# Altium PCB RTM_SFP.PcbDoc (part 2 of 7) (continued)
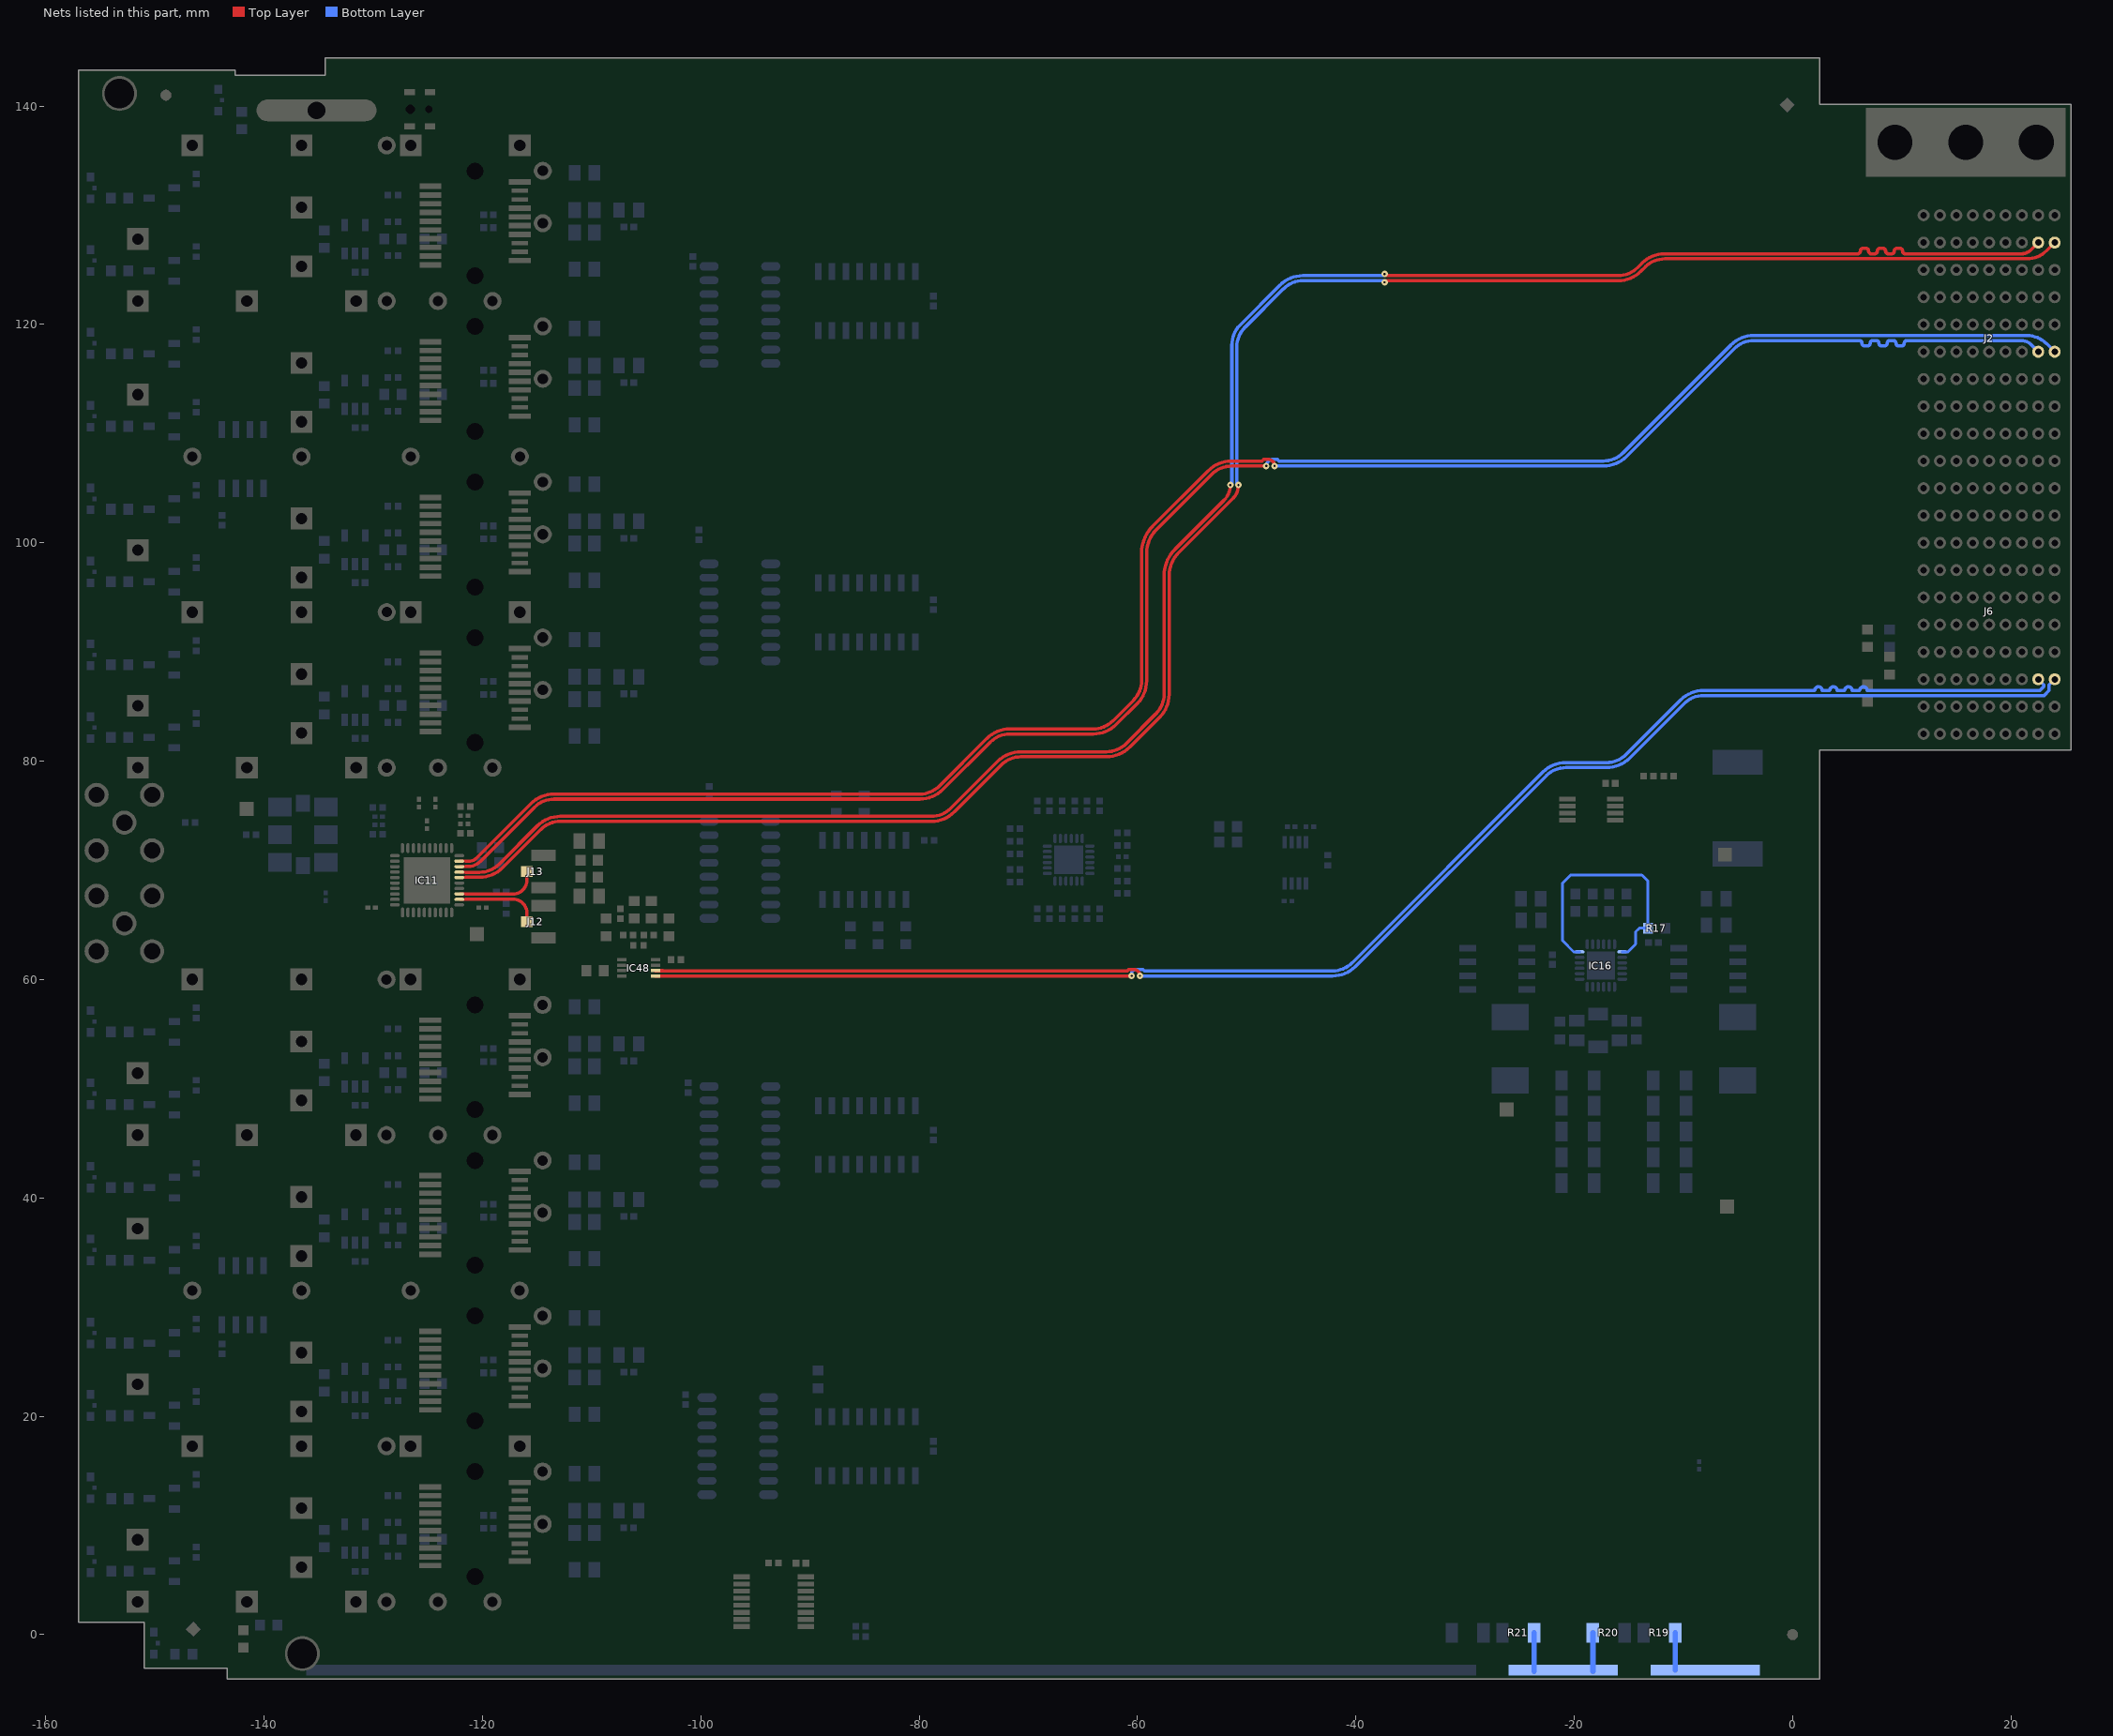
[diagram p4: the nets of this part, all layers, seen from the top]
## Part data (continued)
J12 J13: library part HIROSE_U.FL-R-SMT-1(10), Manufacturer="HIROSE (HRS)", Manufacturer Part Number=U.FL-R-SMT-1(10), Author="CERN DEM JLC", ComponentHeight=1.25mm, Component Type=Standard, CreateDate=24/03/2010, Family=U.FL, HelpURL=\\cern.ch\dfs\Applications\Altium\Datasheets\HIROSE_U.FL-R-SMT-1(10).pdf, LatestRevisionDate=24/03/2010, Mounted=Yes, Part Description="Up to 6GHz Ultra Small Surface Mount Male Coaxial Connectors U.FL Series", Part Number=HIROSE_U.FL-R-SMT-1(10), Pin Count=2, PressFit=No, Sense=No, SMD=Yes, Socket=No, Status=None, Table=Miscellaneous
L1 L2: library part IND2525_1.5UH_20%_VISHAY_IHLP-2525CZ, "Inductor With Magnetic core", Case=2525, Manufacturer="VISHAY DALE", Manufacturer Part Number=IHLP2525CZER1R5M01, Power=9A, Resistance=0.014R, Tolerance=±20%, Author="CERN DEM JLC", ComponentHeight=3mm, Component Type=Standard, CreateDate=2012-10-24, HelpURL=\\cern.ch\dfs\Applications\Altium\Datasheets\IND2525_VISHAY_IHLP-2525CZ.pdf, LatestRevisionDate=2012-10-24, Mounted=Yes, Part Description="Low Profile, High Current IHLP® Inductor", Part Number=IND2525_1.5UH_20%_VISHAY_IHLP-2525CZ, Pin Count=2, SMD=Yes, Socket=No, Status=None, Table="Inductors SMD"
L3 L4 L19 L20: library part IND0603_TDK_MPZ1608R391A, "Inductor", Case=0603, Manufacturer=TDK, Manufacturer Part Number=MPZ1608R391A, Power=1.2A, Resistance=0.12R, Tolerance=±25%, Author="CERN DEM JLC", ComponentHeight=0.95mm, Component Type=Standard, CreateDate=2009-12-02, HelpURL=\\cern.ch\dfs\Applications\Altium\Datasheets\IND0603_TDK_MPZ1608.pdf, LatestRevisionDate=2009-12-02, Mounted=Yes, Part Description="SMT Chip Bead for Power Line", Part Number=IND0603_TDK_MPZ1608R391A, Pin Count=2, SMD=Yes, Socket=No, Status=None, Table="Inductors SMD"
L5A L5B L5C L5D L5E L5F L5G L5H L11A L11B L11C L11D L11E L11F L11G L11H: library part IND0805_MURATA_BLM21PG221SN1D, "Inductor", Case=0805, Manufacturer=MURATA, Manufacturer Part Number=BLM21PG221SN1D, Power=2A, Resistance=0.05R, Tolerance=±25%, Author="CERN DEM JLC", ComponentHeight=1.05mm, Component Type=Standard, CreateDate=25/01/2010, HelpURL=\\cern.ch\dfs\Applications\Altium\Datasheets\IND0402_MURATA_BLM21P.pdf, LatestRevisionDate=25/01/2010, Mounted=Yes, Part Description="SMD EMIFIL Suppression Chip Ferrite Bead", Part Number=IND0805_MURATA_BLM21PG221SN1D, Pin Count=2, SMD=Yes, Socket=No, Status=None, Table="Inductors SMD"
LD1A LD1B LD1C LD1D LD1E LD1F LD1G LD1H: library part LED_AVAGO_HSME-C120, "LED Green 1C 2A", Manufacturer="AVAGO TECHNOLOGIES", Manufacturer Part Number=HSME-C120, Author="CERN DEM JMW", Bonding=No, Color=Green, ComponentHeight=0.7mm, ComponentLink1Description="Design Guide", ComponentLink1URL=\\cern.ch\dfs\Applications\Altium\Datasheets\LED_AVAGO_HSME-C110_DESIGN-GUIDE.pdf, Component Type=Standard, CreateDate=22/07/2009, HelpURL=\\cern.ch\dfs\Applications\Altium\Datasheets\LED_AVAGO_HSME-C120.pdf, LatestRevisionDate=20/06/2012, Mounted=Yes, PackageDescription="Green Chip LED, 2-Leads, Body 1.7x1.1mm, Side Emitting Package", Part Description="High Performance Right Angle Chip Green LED", Part Number=LED_AVAGO_HSME-C120, Pin Count=2, PressFit=No, Sense=No, SMD=Yes, Socket=No
LD2A LD2B LD2C LD2D LD2E LD2F LD2G LD2H: library part LED_AVAGO_HSMC-C120, "LED Red 1C 2A", Manufacturer="AVAGO TECHNOLOGIES", Manufacturer Part Number=HSMC-C120, Author="CERN DEM JMW", Bonding=No, Color=Red, ComponentHeight=0.7mm, ComponentLink1Description="Design Guide", ComponentLink1URL=\\cern.ch\dfs\Applications\Altium\Datasheets\LED_AVAGO_HSMC-C120_DESIGN-GUIDE.pdf, Component Type=Standard, CreateDate=22/07/2009, HelpURL=\\cern.ch\dfs\Applications\Altium\Datasheets\LED_AVAGO_HSMC-C120.pdf, LatestRevisionDate=20/06/2012, Mounted=Yes, PackageDescription="Red Chip LED, 2-Leads, Body 1.7x1.1mm, Side Emitting Package", Part Description="High Performance Right Angle Chip Red LED", Part Number=LED_AVAGO_HSMC-C120, Pin Count=2, PressFit=No, Sense=No, SMD=Yes, Socket=No
LDx: library part LED_AVAGO_HSME-C120, "LED Green 1C 2A", Color=Green, Manufacturer="AVAGO TECHNOLOGIES", Manufacturer Part Number=HSME-C120, Author="CERN DEM JMW", Bonding=No, ComponentHeight=0.7mm, ComponentLink1Description="Design Guide", ComponentLink1URL=\\cern.ch\dfs\Applications\Altium\Datasheets\LED_AVAGO_HSME-C110_DESIGN-GUIDE.pdf, Component Type=Standard, CreateDate=22/07/2009, HelpURL=\\cern.ch\dfs\Applications\Altium\Datasheets\LED_AVAGO_HSME-C120.pdf, LatestRevisionDate=20/06/2012, Mounted=Yes, PackageDescription="Green Chip LED, 2-Leads, Body 1.7x1.1mm, Side Emitting Package", Part Description="High Performance Right Angle Chip Green LED", Part Number=LED_AVAGO_HSME-C120, Pin Count=2, PressFit=No, Sense=No, SMD=Yes, Socket=No
LDy: library part LED_AVAGO_HSMR-C120, "LED Blue 1C 2A", Manufacturer="AVAGO TECHNOLOGIES", Manufacturer Part Number=HSMR-C120, Author="CERN DEM JLC", Bonding=No, Color=Blue, ComponentHeight=0.7mm, Component Type=Standard, CreateDate=07/07/2014, HelpURL=\\cern.ch\dfs\Applications\Altium\Datasheets\LED_AVAGO_HSMR-C120.pdf, LatestRevisionDate=07/07/2014, Mounted=Yes, PackageDescription="Blue Chip LED, 2-Leads, Body 1.7x1.1mm, Side Emitting Package", Part Description="High Performance Right Angle Chip InGaN Blue LED", Part Number=LED_AVAGO_HSMR-C120, Pin Count=2, PressFit=No, Sense=No, SMD=Yes, Socket=No
LED17: library part LED_ROHM_SML-311UTT86K, "LED Red 1C 2A", Manufacturer=ROHM, Manufacturer Part Number=SML-311UTT86K, Author="CERN DEM JLC", Bonding=No, Color=Red, ComponentHeight=0.8mm, Component Type=Standard, CreateDate=16/03/2010, HelpURL=\\cern.ch\dfs\Applications\Altium\Datasheets\LED_ROHM_SML-311UTT86K.pdf, LatestRevisionDate=17/03/2010, Mounted=Yes, PackageDescription="Chip Red LED, 2-Leads, Body 1.6x0.8mm, IPC Medium Density", Part Description="Low current chip LED SML-311 Serie", Part Number=LED_ROHM_SML-311UTT86K, Pin Count=2, PressFit=No, Sense=No, SMD=Yes, Socket=No
OSC1: library part OSC_10-280MHZ_SILICON-LAB_Si570BBC000121DG, "Any-Rate I2C Programmable XO Oscillator Si570 Serie", Manufacturer="SILICON LABS", Author="CERN DEM JLC", ComponentHeight=1.85mm, Component Type=Standard, CreateDate=2010-02-09, HelpURL=\\cern.ch\dfs\Applications\Altium\Datasheets\OSC_SILICON-LAB_SI570.pdf, LatestRevisionDate=2012-03-26, Manufacturer Part Number=570BBC000121DG, Mounted=Yes, PackageDescription="Oscillator Si570 Serie, 8 pins, 5x7mm", Part Description="10-280MHz 3.3V ±20ppm LVDS Any-Rate I2C Programmable XO Oscillator Si570 Serie", Part Number=OSC_10-280MHZ_SILICON-LAB_Si570BBC000121DG, Pin Count=8, SMD=Yes, Socket=No, Table="Crystals & Oscillators"
PB1: library part SW_C&K_HDT0001, "Push-Button Switch SPDT", Manufacturer=C&K, Manufacturer Part Number=HDT0001, Author="CERN DEM JLC", ComponentHeight=3.35mm, Component Type=Standard, CreateDate=2012-08-15, Family="Push Button", HelpURL=\\cern.ch\dfs\Applications\Altium\Datasheets\SW_C&K_HDT0001.pdf, LatestRevisionDate=2012-08-15, Mounted=Yes, PackageDescription="Body 3.5x2.8mm, Micro Mini Surface Mount Detect Switches, HDT Serie", Part Description="5VDC 1mA SPST-NO Micro Mini Surface Surface Mount Detect Push-Button Switch, HDT Serie", Part Number=SW_C&K_HDT0001, Pin Count=4, SMD=Yes, Socket=No, Status=None, Table=Switches
R1A R1B R1C R1D R1E R1F R1G R1H R7 R8 R9 R11A R11B R11C R11D R11E R11F R11G R11H: library part R0603_330R_1%_0.1W_100PPM, "Resistor - 1%", Case=0603, Manufacturer=GENERIC, Manufacturer1 ComponentHeight=0.55mm, Manufacturer1 Example="NIC COMPONENT", Manufacturer1 Part Number=NRC06F3300TRF, Power=0.1W, Tolerance=±1%, Author="CERN DEM JLC", Component Type=Standard, CreateDate=2007-12-03, HelpURL=\\cern.ch\dfs\Applications\Altium\Datasheets\R0603_NIC_NRC.pdf, LatestRevisionDate=2008-03-13, Manufacturer Part Number=R0603_330R_1%_0.1W_100PPM, Mounted=Yes, Part Description="General Purpose Thick Film Chip Resistor", Part Number=R0603_330R_1%_0.1W_100PPM, Pin Count=2, SMD=Yes, Socket=No, Status=Preferred, Table="Resistors SMD", TC=±100ppm/°C
R2 R3 R4 R5 R13 R30: library part R0603_100K_1%_0.1W_100PPM, "Resistor - 1%", Case=0603, Manufacturer=GENERIC, Manufacturer1 ComponentHeight=0.55mm, Manufacturer1 Example="NIC COMPONENT", Manufacturer1 Part Number=NRC06F1003TRF, Power=0.1W, Tolerance=±1%, Author="CERN DEM JLC", Component Type=Standard, CreateDate=03/12/2007, HelpURL=\\cern.ch\dfs\Applications\Altium\Datasheets\R0603_NIC_NRC.pdf, LatestRevisionDate=13/03/2008, Manufacturer Part Number=R0603_100K_1%_0.1W_100PPM, Mounted=Yes, Part Description="General Purpose Thick Film Chip Resistor", Part Number=R0603_100K_1%_0.1W_100PPM, Pin Count=2, Sense=No, SMD=Yes, Socket=No, Status=Preferred, TC=±100ppm/°C
R6 R33 R34 R35 R36 R105A R105B R105C R105D R105E R105F R105G R105H R109A R109B R109C R109D R109E R109F R109G R109H: library part R0603_100R_1%_0.1W_100PPM, "Resistor - 1%", Case=0603, Manufacturer=GENERIC, Manufacturer1 ComponentHeight=0.55mm, Manufacturer1 Example="NIC COMPONENT", Manufacturer1 Part Number=NRC06F4700TRF, Power=0.1W, Tolerance=±1%, Author="CERN DEM JLC", Component Type=Standard, HelpURL=\\cern.ch\dfs\Applications\Altium\Datasheets\R0603_NIC_NRC.pdf, Manufacturer Part Number=R0603_100R_1%_0.1W_100PPM, Part Description="General Purpose Thick Film Chip Resistor", Part Number=R0603_100R_1%_0.1W_100PPM, Pin Count=2, SMD=Yes, Socket=No, Status=Preferred, TC=±100ppm/°C
  R6 R33 R34 R35 R36: CreateDate=03/12/2007, LatestRevisionDate=13/03/2008, Mounted=Yes, Sense=No
  R105A R105B R105C R105D R105E R105F R105G R105H R109A R109B R109C R109D R109E R109F R109G R109H: CreateDate=12/3/2007, LatestRevisionDate=3/13/2008, Table="Resistors SMD"
R10A R10B R10C R10D R10E R10F R10G R10H R12A R12B R12C R12D R12E R12F R12G R12H R14 R15 R16 R28 R31 R32 R37 R311 R316 R317 R318 R319 R320 R321 R322 R323 R324 R325 R326 R327 R328 R329 R330 R331 R332 R333 R334 R335 R336 R400A R400B R400C R400D R400E R400F R400G R400H R403A R403B R403C R403D R403E R403F R403G R403H R404A R404B R404C R404D R404E R404F R404G R404H: library part R0402_10K_1%_0.0625W_100PPM, "Resistor - 1%", Case=0402, Manufacturer=GENERIC, Manufacturer1 ComponentHeight=0.4mm, Manufacturer1 Example="YAGEO PHYCOMP", Manufacturer1 Part Number=232270671003L, Power=0.0625W, Tolerance=±1%, Author="CERN DEM JLC", Component Type=Standard, HelpURL=\\cern.ch\dfs\Applications\Altium\Datasheets\R0402_Phycomp_RC0402.pdf, Manufacturer Part Number=R0402_10K_1%_0.0625W_100PPM, Mounted=Yes, Part Description="General Purpose Thick Film Chip Resistor", Part Number=R0402_10K_1%_0.0625W_100PPM, Pin Count=2, SMD=Yes, Socket=No, Status="Not recommended", TC=±100ppm/°C
  R10A R10B R10C R10D R10E R10F R10G R10H R12A R12B R12C R12D R12E R12F R12G R12H R400A R400B R400C R400D R400E R400F R400G R400H R403A R403B R403C R403D R403E R403F R403G R403H R404A R404B R404C R404D R404E R404F R404G R404H: CreateDate=03/12/2007, LatestRevisionDate=17/10/2012, Sense=No
  R14 R15 R16 R28 R31 R32 R37 R311 R316 R317 R318 R319 R320 R321 R322 R323 R324 R325 R326 R327 R328 R329 R330 R331 R332 R333 R334 R335 R336: CreateDate=2007-12-03, LatestRevisionDate=2012-10-17, Table="Resistors SMD"
R17 R195: library part R0603_6K8_1%_0.1W_100PPM, "Resistor - 1%", Case=0603, Manufacturer=GENERIC, Manufacturer1 ComponentHeight=0.55mm, Manufacturer1 Example="NIC COMPONENT", Manufacturer1 Part Number=NRC06F6801TRF, Power=0.1W, Tolerance=±1%, Author="CERN DEM JLC", Component Type=Standard, CreateDate=2007-12-03, HelpURL=\\cern.ch\dfs\Applications\Altium\Datasheets\R0603_NIC_NRC.pdf, LatestRevisionDate=2008-03-13, Manufacturer Part Number=R0603_6K8_1%_0.1W_100PPM, Mounted=Yes, Part Description="General Purpose Thick Film Chip Resistor", Part Number=R0603_6K8_1%_0.1W_100PPM, Pin Count=2, SMD=Yes, Socket=No, Status=Preferred, Table="Resistors SMD", TC=±100ppm/°C
R18 R54: library part R0603_1K3_1%_0.1W_100PPM, "Resistor - 1%", Case=0603, Manufacturer=GENERIC, Manufacturer1 ComponentHeight=0.55mm, Manufacturer1 Example="NIC COMPONENT", Manufacturer1 Part Number=NRC06F1301TRF, Power=0.1W, Tolerance=±1%, Author="CERN DEM JLC", Component Type=Standard, CreateDate=2007-12-03, HelpURL=\\cern.ch\dfs\Applications\Altium\Datasheets\R0603_NIC_NRC.pdf, LatestRevisionDate=2008-03-13, Manufacturer Part Number=R0603_1K3_1%_0.1W_100PPM, Mounted=Yes, Part Description="General Purpose Thick Film Chip Resistor", Part Number=R0603_1K3_1%_0.1W_100PPM, Pin Count=2, SMD=Yes, Socket=No, Status=Preferred, Table="Resistors SMD", TC=±100ppm/°C
R19 R20 R21 R22: library part R1206_1M_1%_0.25W_100PPM, "Resistor - 1%", Case=1206, Manufacturer=GENERIC, Manufacturer1 ComponentHeight=0.65mm, Manufacturer1 Example="NIC COMPONENT", Manufacturer1 Part Number=NRC12F1004TRF, Power=0.25W, Tolerance=±1%, Author="CERN DEM JLC", Component Type=Standard, CreateDate=2007-12-03, HelpURL=\\cern.ch\dfs\Applications\Altium\Datasheets\R1206_NIC_NRC.pdf, LatestRevisionDate=2008-03-13, Manufacturer Part Number=R1206_1M_1%_0.25W_100PPM, Mounted=Yes, Part Description="General Purpose Thick Film Chip Resistor", Part Number=R1206_1M_1%_0.25W_100PPM, Pin Count=2, SMD=Yes, Socket=No, Status=Preferred, Table="Resistors SMD", TC=±100ppm/°C
R23 R24 R25 R26 R27 R246: library part R0603_5K1_1%_0.1W_100PPM, "Resistor - 1%", Case=0603, Manufacturer=GENERIC, Manufacturer1 ComponentHeight=0.55mm, Manufacturer1 Example="NIC COMPONENT", Manufacturer1 Part Number=NRC06F5101TRF, Power=0.1W, Tolerance=±1%, Author="CERN DEM JLC", Component Type=Standard, HelpURL=\\cern.ch\dfs\Applications\Altium\Datasheets\R0603_NIC_NRC.pdf, Manufacturer Part Number=R0603_5K1_1%_0.1W_100PPM, Mounted=Yes, Part Description="General Purpose Thick Film Chip Resistor", Part Number=R0603_5K1_1%_0.1W_100PPM, Pin Count=2, SMD=Yes, Socket=No, Status=Preferred, Table="Resistors SMD", TC=±100ppm/°C
  R23 R24 R25 R26 R27: CreateDate=03/12/2007, LatestRevisionDate=13/03/2008
  R246: CreateDate=2007-12-03, LatestRevisionDate=2008-03-13
R29 R211 R312 R313 R314 R315: library part R0402_49R9_1%_0.0625W_100PPM, "Resistor - 1%", Case=0402, Manufacturer=GENERIC, Manufacturer1 ComponentHeight=0.4mm, Manufacturer1 Example="YAGEO PHYCOMP", Manufacturer1 Part Number="232270674999L or RC0402FR-0749R9L", Power=0.0625W, Tolerance=±1%, Author="CERN DEM JLC", Component Type=Standard, HelpURL=\\cern.ch\dfs\Applications\Altium\Datasheets\R0402_Phycomp_RC0402.pdf, Manufacturer Part Number=R0402_49R9_1%_0.0625W_100PPM, Mounted=Yes, Part Description="General Purpose Thick Film Chip Resistor", Part Number=R0402_49R9_1%_0.0625W_100PPM, Pin Count=2, SMD=Yes, Socket=No, Status="Not recommended", TC=±100ppm/°C
  R29 R312 R313 R314 R315: CreateDate=2012-10-24, LatestRevisionDate=2012-10-24, Table="Resistors SMD"
  R211: CreateDate=24/10/2012, LatestRevisionDate=24/10/2012, Sense=No
R53: library part R0603_4K3_1%_0.1W_100PPM, "Resistor - 1%", Case=0603, Manufacturer=GENERIC, Manufacturer1 ComponentHeight=0.55mm, Manufacturer1 Example="NIC COMPONENT", Manufacturer1 Part Number=NRC06F4301TRF, Power=0.1W, Tolerance=±1%, Author="CERN DEM JLC", Component Type=Standard, CreateDate=2007-12-03, HelpURL=\\cern.ch\dfs\Applications\Altium\Datasheets\R0603_NIC_NRC.pdf, LatestRevisionDate=2008-03-13, Manufacturer Part Number=R0603_4K3_1%_0.1W_100PPM, Mounted=Yes, Part Description="General Purpose Thick Film Chip Resistor", Part Number=R0603_4K3_1%_0.1W_100PPM, Pin Count=2, SMD=Yes, Socket=No, Status=Preferred, Table="Resistors SMD", TC=±100ppm/°C
R107A R107B R107C R107D R107E R107F R107G R107H: library part R0603_0R_JUMPER, "Resistor - 1%", Case=0603, Manufacturer=GENERIC, Manufacturer1 ComponentHeight=0.55mm, Manufacturer1 Example="NIC COMPONENT", Manufacturer1 Part Number=NRC06Z0, Author="CERN DEM JLC", Component Type=Standard, CreateDate=12/3/2007, HelpURL=\\cern.ch\dfs\Applications\Altium\Datasheets\R0603_NIC_NRC.pdf, LatestRevisionDate=3/13/2008, Manufacturer Part Number=R0603_0R_JUMPER, Mounted=Yes, Part Description="1A (0.05R Max DC Resistance) Zero Ohm Jumper", Part Number=R0603_0R_JUMPER, Pin Count=2, SMD=Yes, Socket=No, Status=Preferred, Table="Resistors SMD"
R248: library part R0603_3K_1%_0.1W_100PPM, "Resistor - 1%", Case=0603, Manufacturer=GENERIC, Manufacturer1 ComponentHeight=0.55mm, Manufacturer1 Example="NIC COMPONENT", Manufacturer1 Part Number=NRC06F3001TRF, Power=0.1W, Tolerance=±1%, Author="CERN DEM JLC", Component Type=Standard, CreateDate=2007-12-03, HelpURL=\\cern.ch\dfs\Applications\Altium\Datasheets\R0603_NIC_NRC.pdf, LatestRevisionDate=2008-03-13, Manufacturer Part Number=R0603_3K_1%_0.1W_100PPM, Mounted=Yes, Part Description="General Purpose Thick Film Chip Resistor", Part Number=R0603_3K_1%_0.1W_100PPM, Pin Count=2, SMD=Yes, Socket=No, Status=Preferred, Table="Resistors SMD", TC=±100ppm/°C
R391: library part R0603_4K3_1%_0.1W_100PPM, "Resistor - 1%", Manufacturer=GENERIC, Manufacturer1 ComponentHeight=0.55mm, Manufacturer1 Example="NIC COMPONENT", Manufacturer1 Part Number=NRC06F4301TRF, Power=0.1W, Tolerance=±1%, Author="CERN DEM JLC", Component Type=Standard, CreateDate=2007-12-03, HelpURL=\\cern.ch\dfs\Applications\Altium\Datasheets\R0603_NIC_NRC.pdf, LatestRevisionDate=2008-03-13, Manufacturer Part Number=R0603_4K3_1%_0.1W_100PPM, Mounted=Yes, Part Description="General Purpose Thick Film Chip Resistor", Part Number=R0603_4K3_1%_0.1W_100PPM, Pin Count=2, SMD=Yes, Socket=No, Status=Preferred, Table="Resistors SMD", TC=±100ppm/°C
T1A T1B T1C T1D T1E T1F T1G T1H T2A T2B T2C T2D T2E T2F T2G T2H: "N-CHANNEL MOSFET WITH DIODE", Case=SOT23-3, Manufacturer="ON SEMICONDUCTOR", Author="CERN DEM JLC", ComponentHeight=1.11mm, Component Type=Standard, CreateDate=2009-03-23, Device=BSS138LT1G, HelpURL=\\cern.ch\dfs\Applications\Altium\Datasheets\BSS138LT1G.pdf, LatestRevisionDate=2009-03-23, Manufacturer Part Number=BSS138LT1G, Mounted=Yes, PackageDescription="SOT23 3-Leads, Pitch 0.95mm - Body 1.4x3mm, IPC Medium Density", Part Description="50V 200mA N-Channel Enhancement Mode Field-Effect Transistor", Part Number=BSS138LT1G, Pin Count=3, SMD=Yes, Socket=No, Table=Transistors
T5 T6: "Dual SO-8 MOSFET For POL Cconverter", Case=DO8, Manufacturer="INTERNATIONAL RECTIFIER", Author="CERN DEM JLC", ComponentHeight=1.75mm, Component Type=Standard, CreateDate=2010-08-30, Device=IRF9910Pbf, HelpURL=\\cern.ch\dfs\Applications\Altium\Datasheets\IRF9910Pbf.pdf, LatestRevisionDate=2010-08-30, Manufacturer Part Number=IRF9910Pbf, Mounted=Yes, PackageDescription="SOIC 8, Pitch 1.27mm - Body 4x5mm, IPC Medium Density", Part Description="20V 10A(Q1) 20V 12A (Q2) Dual SO-8 MOSFET For POL Cconverter", Part Number=IRF9910Pbf, Pin Count=8, SMD=Yes, Socket=No, Table=Transistors
TP_2V5 TP_2V5_clean TP_3V3 TP_3V3_clean TP_12V: library part SMD_PAD_1.27X1.27MM, Author="CERN DEM JLC", ComponentHeight=0mm, Component Type="Standard (No BOM)", CreateDate=12/01/2008, Family="Test Point", HelpURL=Undefined, LatestRevisionDate=12/01/2008, Mounted=No, PackageDescription="1.27mm x 1.27mm PCB Copper Area (SMD Test Point)", Part Description="1.27mm x 1.27mm PCB Copper Area (SMD Test Point)", Part Number=SMD_PAD_1.27X1.27MM, Pin Count=1, Sense=No, SMD=Yes, Socket=No, Status=None

## Free pads (board coordinates)
  oval 11x2 hole 1.6 slot 10.6 at 0 deg: 0(-135.201,139.611)
  rect 10x1 smd far side paste-2540 mask+0.254: ESD_STRIP_SEGMENT_1(-21,-3.264) ESD_STRIP_SEGMENT_2(-8,-3.264)
  rect 107.14x1 smd far side paste-2540 mask+0.254: ESD_STRIP_SEGMENT_3(-82.571,-3.264)
  round 3.2 hole 2.7: MH1(-153.251,141.161) MH2(-136.501,-1.739)

## Via types
v1: diameter 0.6, hole 0.2, Top Layer to Bottom Layer, tented both sides, 1425 vias
v2: diameter 0.7, hole 0.3, Top Layer to Bottom Layer, tented both sides, 59 vias
v3: diameter 0.45, hole 0.2, Top Layer to Bottom Layer, tented both sides, 47 vias
v4: diameter 0.6, hole 0.2, Top Layer to Bottom Layer, 7 vias
v5: diameter 0.6, hole 0.3, Top Layer to Bottom Layer, tented both sides, 2 vias
v6: diameter 0.45, hole 0.2, Top Layer to Bottom Layer, 1 vias

## Nets (pads, with @x,y where several pads share a name; then routed paths per layer and width w, separated by ;. In a path a pad name is that pad's centre, name@x,y a point inside that pad or via, vN(x,y) a via of type N, cw(c..) or ccw(c..) an arc to the next point about the centre after c; other vN are vias at no path point)
CLK_EXT_N: IC48.5 J6.B3 | length 140.5
  Top Layer w0.305: IC48.5@-104.15,60.31 -103.491,60.31 -103.471,60.33 v1(-60.542,60.33)
  Bottom Layer w0.305: v1(-60.542,60.33) -60.542,60.692 -60.3,60.935 -59.532,60.935 -59.384,60.787 -42.145,60.787 ccw(c-42.145,63.327) -40.349,61.531 -22.883,78.997 cw(c-20.78,76.894) -20.78,79.868 -17.047,79.868 ccw(c-17.047,82.408) -15.251,80.612 -10.271,85.592 cw(c-8.151,83.473) -8.151,86.47 2.024,86.47 cw(c2.367,86.47) 2.71,86.47 3.396,86.47 cw(c3.739,86.47) 4.082,86.47 4.768,86.47 cw(c5.111,86.47) 5.453,86.47 6.139,86.47 cw(c6.482,86.47) 6.825,86.47 22.651,86.47 23.021,86.841 23.021,86.979 J6.B3@22.5,87.5
CLK_EXT_P: IC48.6 J6.A3 | length 139.6
  Top Layer w0.305: IC48.6@-104.15,60.81 -103.491,60.81 -103.468,60.787 -60.941,60.787 -60.793,60.935 -60.387,60.935 cw(c-60.387,60.33) v1(-59.782,60.33)
  Bottom Layer w0.305: v1(-59.782,60.33) -42.134,60.33 ccw(c-42.134,63.3) -40.034,61.2 -22.567,78.667 cw(c-20.771,76.871) -20.771,79.411 -17.046,79.411 ccw(c-17.046,82.407) -14.928,80.288 -9.947,85.269 cw(c-8.151,83.473) -8.151,86.013 23.029,86.013 23.479,86.462 23.479,86.979 J6.A3@24,87.5
EN_DC_DC: IC16.7 IC16.24 R17.2 | length 23.9
  Bottom Layer w0.254: IC16.24@-19.51,62.53 -20.04,62.53 -21.09,63.58 -21.09,68.82 -20.33,69.58 -13.81,69.58 -13.25,69.02 R17.2@-13.25,64.7 -14.04,64.7 -14.37,64.37 -14.37,63.24 -15.08,62.53 IC16.7@-15.61,62.53
ESD1: pad.ESD_STRIP_SEGMENT_2 R19.1 | length 3.4
  Bottom Layer w0.5: pad.ESD_STRIP_SEGMENT_2@-10.75,-3.26 R19.1@-10.75,0.161
ESD2: pad.ESD_STRIP_SEGMENT_1 R20.2 R21.1 | length 7.1
  Bottom Layer w0.5: pad.ESD_STRIP_SEGMENT_1@-23.675,-3.364 R21.1@-23.675,0.161 ; pad.ESD_STRIP_SEGMENT_1@-18.3,-3.364 R20.2@-18.3,0.161
EXT_CLK1_OUT_N: IC11.33 J13.1 | length 7.7
  Top Layer w0.254: IC11.33@-122.08,67.84 -121.549,67.84 -121.528,67.819
  Top Layer w0.305: -121.528,67.819 -117.21,67.819 ccw(c-117.21,69.069) -116.325,68.185 ccw(c-117.243,69.102) -115.945,69.102 J13.1@-115.945,69.89
EXT_CLK1_OUT_P: IC11.32 J12.1 | length 7.7
  Top Layer w0.254: IC11.32@-122.08,67.34 -121.549,67.34 -121.528,67.361
  Top Layer w0.305: -121.528,67.361 -117.221,67.361 cw(c-117.221,66.059) -116.3,66.98 cw(c-117.157,66.123) -115.945,66.123 J12.1@-115.945,65.29
FPGA_CLK1_N: IC11.39 J2.B5 | length 174.1
  Top Layer w0.254: IC11.39@-122.08,70.84 -121.549,70.84 -121.528,70.819
  Top Layer w0.305: -121.528,70.819 -121.31,70.819 ccw(c-121.31,71.926) -120.527,71.143 -115.555,76.115 cw(c-113.449,74.009) -113.449,76.987 -79.945,76.987 ccw(c-79.945,79.527) -78.149,77.731 -73.803,82.077 cw(c-71.696,79.971) -71.696,82.95 -64.059,82.95 ccw(c-64.059,85.49) -62.263,83.694 -60.374,85.583 ccw(c-62.17,87.379) -59.63,87.379 -59.63,99.085 cw(c-56.215,99.085) -58.63,101.5 -53.507,106.623 cw(c-51.414,104.53) -51.414,107.49 -48.605,107.49 -48.457,107.638 -48.051,107.638 cw(c-48.051,107.033) v1(-47.447,107.033)
  Bottom Layer w0.305: v1(-47.447,107.033) -17.331,107.033 ccw(c-17.331,110.012) -15.224,107.906 -5.344,117.786 cw(c-3.548,115.99) -3.548,118.53 6.1,118.53 cw(c6.1,118.28) 6.35,118.28 ; 6.35,118.275 ccw(c6.58,118.275) 6.58,118.045 6.875,118.045 ccw(c6.875,118.275) 7.105,118.275 cw(c7.36,118.275) 7.36,118.53 7.65,118.53 cw(c7.65,118.275) 7.905,118.275 ccw(c8.135,118.275) 8.135,118.045 8.43,118.045 ccw(c8.43,118.275) 8.66,118.275 cw(c8.915,118.275) 8.915,118.53 9.21,118.53 cw(c9.21,118.275) 9.465,118.275 ccw(c9.695,118.275) 9.695,118.045 9.99,118.045 ccw(c9.99,118.275) 10.22,118.275 cw(c10.475,118.275) 10.47,118.53 20.939,118.53 cw(c20.939,117.248) 21.845,118.155 J2.B5@22.5,117.5
FPGA_CLK1_P: IC11.38 J2.A5 | length 174.1
  Top Layer w0.254: IC11.38@-122.08,70.34 -121.549,70.34
  Top Layer w0.305: -121.528,70.361 -121.286,70.361 ccw(c-121.286,71.868) -120.221,70.803 -115.237,75.786 cw(c-113.441,73.99) -113.441,76.53 -79.937,76.53 ccw(c-79.937,79.509) -77.831,77.403 -73.485,81.749 cw(c-71.689,79.953) -71.689,82.493 -64.058,82.493 ccw(c-64.058,85.489) -61.94,83.37 -60.032,85.278 ccw(c-62.106,87.352) -59.173,87.352 -59.173,99.069 cw(c-56.176,99.069) -58.295,101.188 -53.195,106.289 cw(c-51.399,104.493) -51.399,107.033 v1(-48.207,107.033)
  Bottom Layer w0.305: v1(-48.207,107.033) cw(c-47.602,107.033) -47.602,107.638 -47.196,107.638 -47.048,107.49 -17.339,107.49 ccw(c-17.339,110.03) -15.543,108.234 -5.664,118.112 cw(c-3.552,116) -3.552,118.987 21.461,118.987 cw(c21.461,116.447) 23.257,118.243 J2.A5@24,117.5
FPGA_CLK2_N: IC11.37 J2.B9 | length 185.2
  Top Layer w0.254: IC11.37@-122.08,69.84 -121.549,69.84 -121.528,69.819
  Top Layer w0.305: -121.528,69.819 -120.284,69.819 ccw(c-120.284,72.359) -118.487,70.563 -114.975,74.075 cw(c-112.869,71.969) -112.869,74.947 -78.895,74.947 ccw(c-78.895,77.487) -77.099,75.691 -72.803,79.987 cw(c-70.696,77.881) -70.696,80.86 -62.849,80.86 ccw(c-62.849,83.4) -61.053,81.604 -58.314,84.343 ccw(c-60.11,86.139) -57.57,86.139 -57.57,96.992 cw(c-54.139,96.992) -56.565,99.418 -52.089,103.894 ccw(c-53.485,105.29) v1(-51.511,105.29) ; v1(-37.37,124.621) -37.222,124.473 -15.995,124.473 ccw(c-15.995,127.013) -14.199,125.217 -13.8,125.616 cw(c-11.739,123.555) -11.739,126.47 5.955,126.47 ccw(c5.95,126.725) 6.205,126.725 cw(c6.455,126.725) 6.455,126.975 6.71,126.975 cw(c6.71,126.725) 6.96,126.725 ccw(c7.215,126.725) 7.215,126.47 7.51,126.47 ccw(c7.505,126.725) 7.76,126.725 cw(c8.01,126.725) 8.01,126.975 8.265,126.975 cw(c8.265,126.725) 8.515,126.725 ccw(c8.77,126.725) 8.77,126.47 9.065,126.47 ccw(c9.06,126.725) 9.315,126.725 cw(c9.565,126.725) 9.565,126.975 9.82,126.975 cw(c9.82,126.725) 10.07,126.725 ccw(c10.325,126.725) 10.325,126.47 20.939,126.47 ccw(c20.939,127.752) 21.845,126.845 J2.B9@22.5,127.5
  Bottom Layer w0.305: v1(-51.511,105.29) -51.363,105.438 -51.363,118.137 cw(c-48.823,118.137) -50.619,119.933 -46.936,123.617 cw(c-44.868,121.55) -44.868,124.473 -37.518,124.473 v1(-37.37,124.621)
FPGA_CLK2_P: IC11.36 J2.A9 | length 185.3
  Top Layer w0.254: IC11.36@-122.08,69.34 -121.549,69.34 -121.528,69.361
  Top Layer w0.305: -121.528,69.361 -120.273,69.361 ccw(c-120.273,72.334) -118.171,70.232 -114.657,73.746 cw(c-112.861,71.95) -112.861,74.49 -78.866,74.49 ccw(c-78.866,77.418) -76.796,75.347 -72.485,79.659 cw(c-70.689,77.863) -70.689,80.403 -62.848,80.403 ccw(c-62.848,83.399) -60.73,81.28 -57.967,84.043 ccw(c-60.031,86.106) -57.113,86.106 -57.113,96.982 cw(c-54.116,96.982) -56.235,99.102 -51.338,103.998 ; -51.341,104.001 ccw(c-52.477,105.29) v1(-50.758,105.29) ; v1(-37.37,123.868) -37.222,124.016 -15.986,124.016 ccw(c-15.986,126.991) -13.883,124.887 -13.501,125.269 cw(c-11.705,123.473) -11.705,126.013 21.461,126.013 ccw(c21.461,128.553) 23.257,126.757 J2.A9@24,127.5
  Bottom Layer w0.305: v1(-50.758,105.29) -50.906,105.438 -50.906,117.948 cw(c-48.366,117.948) -50.162,119.744 -46.634,123.272 cw(c-44.838,121.476) -44.838,124.016 -37.518,124.016 v1(-37.37,123.868)